# Altium PCB PCB_with_drawing.PcbDoc (part 3 of 5)
Units mm, origin at the board's own origin, x right, y up, seen from the top; angles counter-clockwise.
Board outline 425 x 295 mm, 2 copper layers (Top Layer, Bottom Layer), stack 3.4 mm thick; 489 components, 419 nets, 1569 pads, 847 vias.
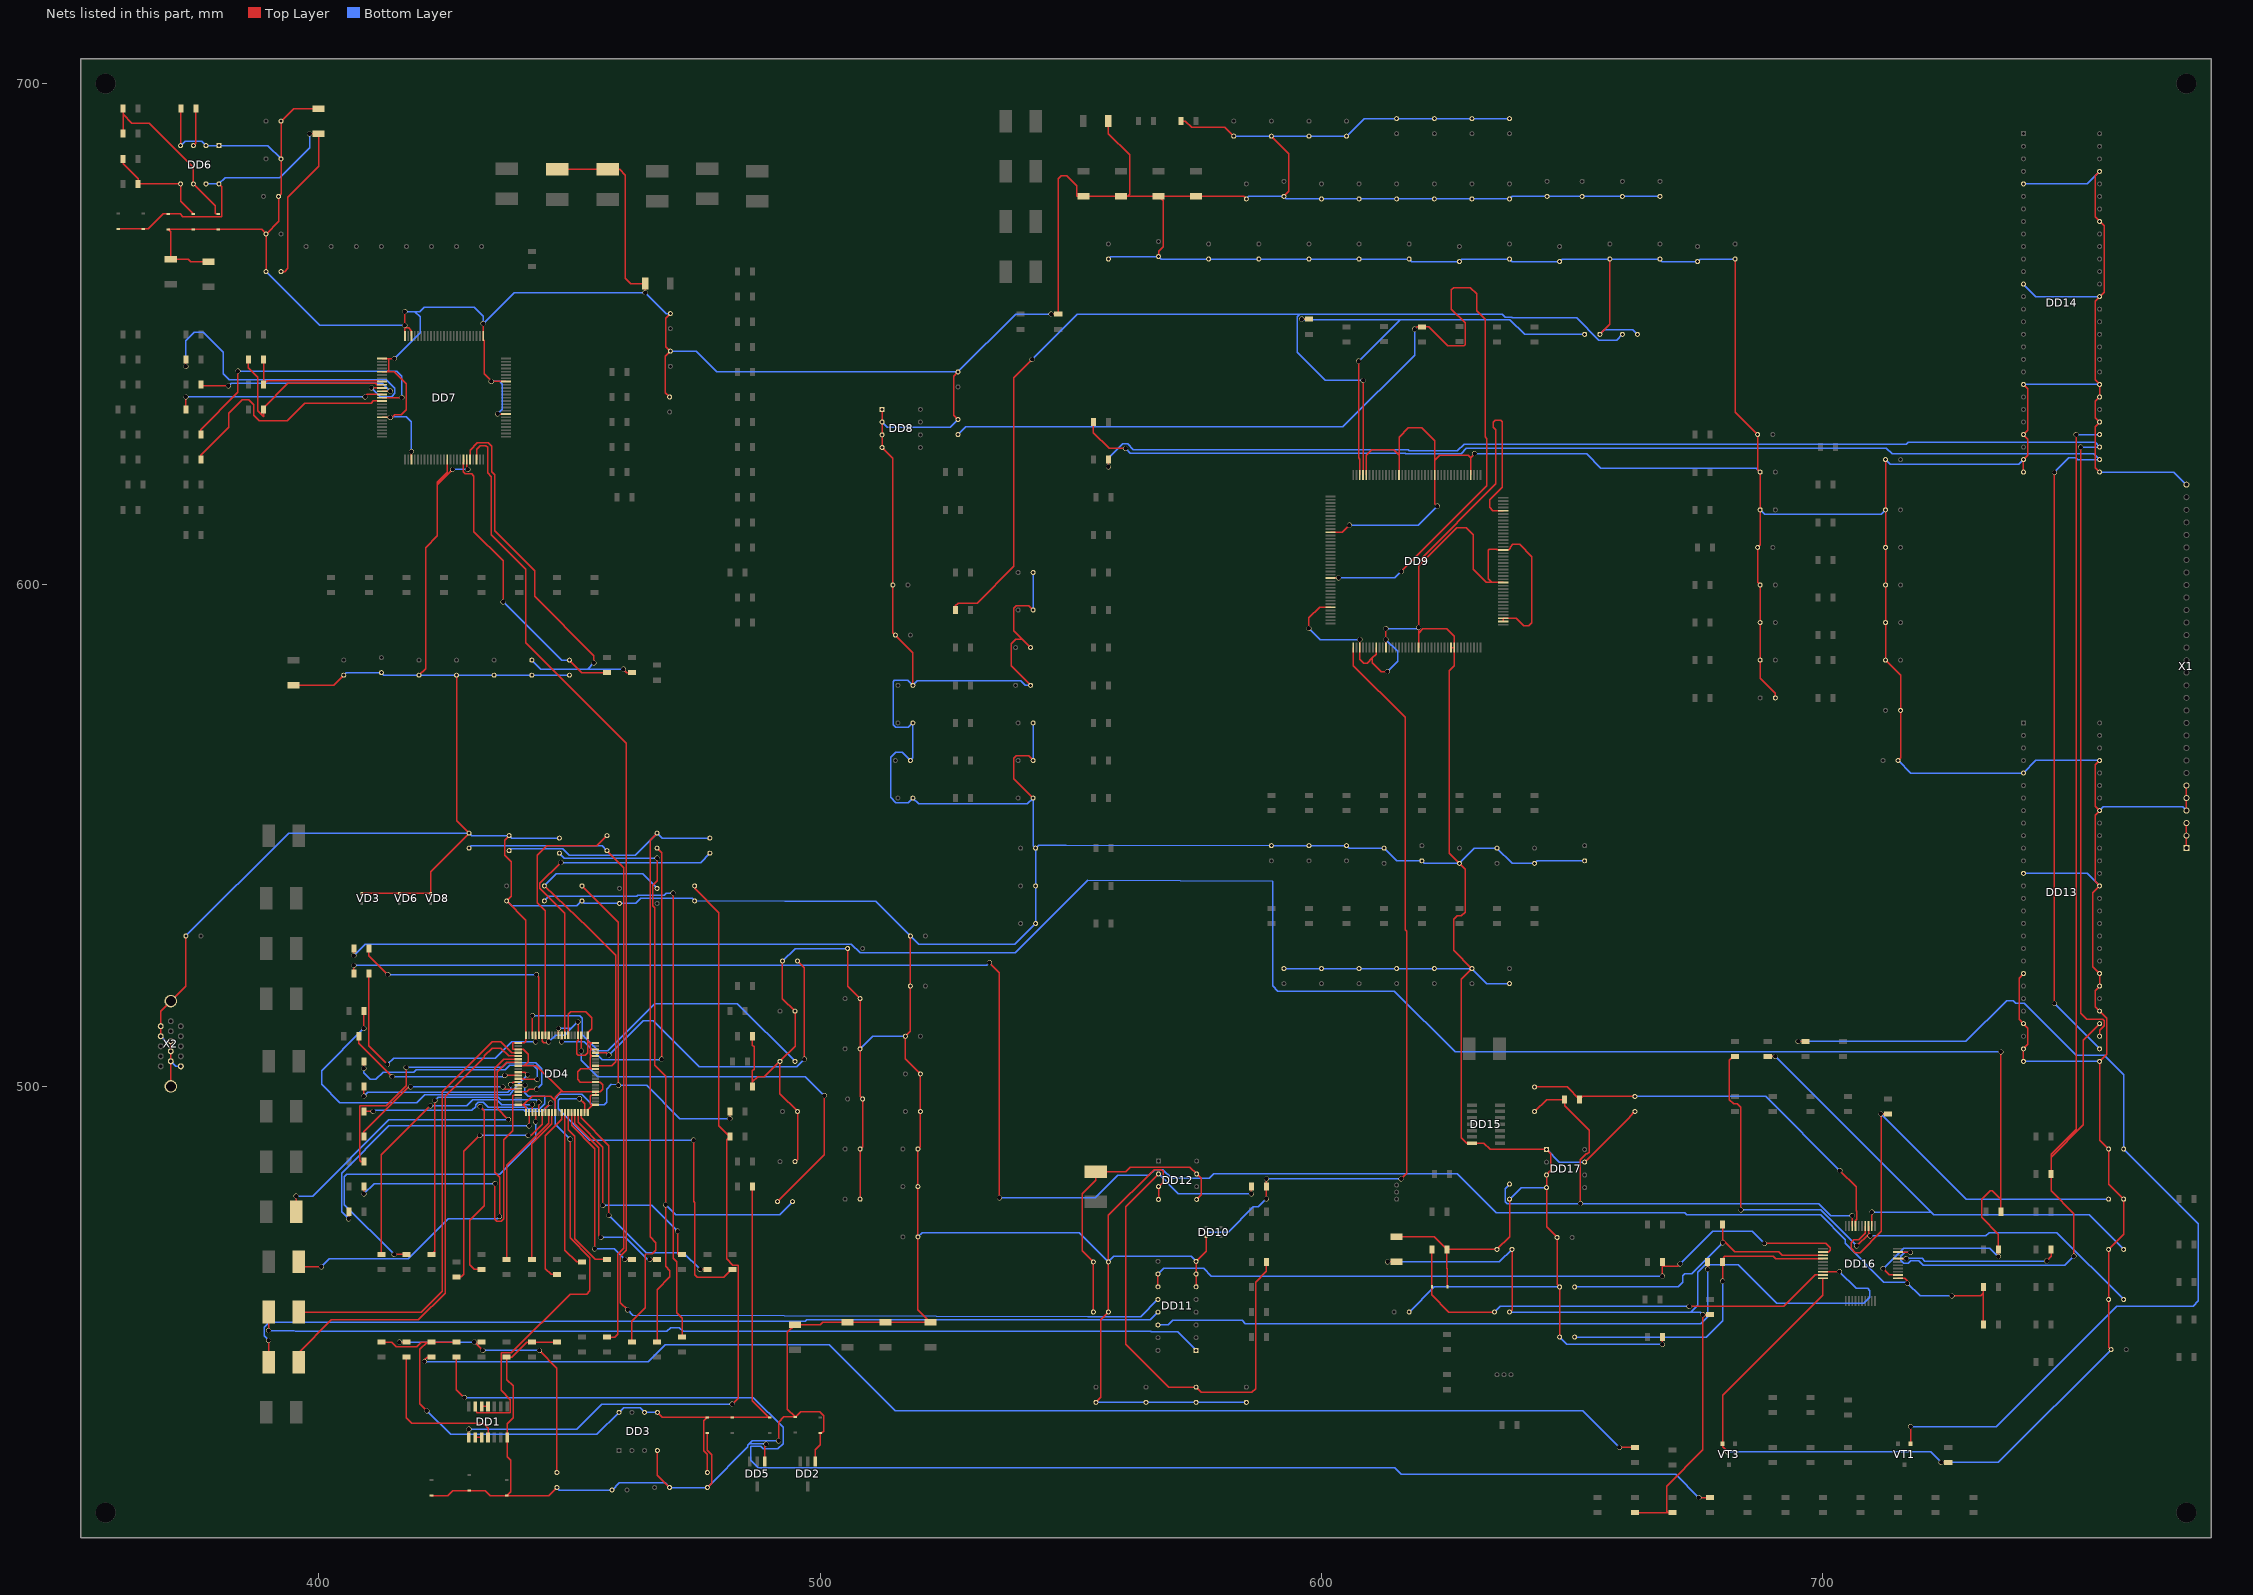
[diagram p3: the nets of this part, all layers, seen from the top]

## Via types
v1: diameter 1, hole 0.9, Top Layer to Bottom Layer, 847 vias

## Nets (pads, with @x,y where several pads share a name; then routed paths per layer and width w, separated by ;. In a path a pad name is that pad's centre, name@x,y a point inside that pad or via, vN(x,y) a via of type N, cw(c..) or ccw(c..) an arc to the next point about the centre after c; other vN are vias at no path point) (continued)
GND: C1.2 C2.2 C3.2 C4.2 C5.2 C6.2 C7.2 C8.2 C9.2 C10.2 C11.2 C12.2 C13.2 C14.2 C15.2 C17.2 C18.2 C19.2 C25.1 C26.2 C27.1 C28.2 C29.1 C30.2 C31.2 C32.2 C33.2 C34.2 C35.2 C36.2 C37.2 C38.2 C39.2 C40.2 C41.2 C42.2 C43.2 C44.1 C45.1 C46.1 C47.1 C48.1 C49.1 C50.1 C51.1 C52.2 C53.1 C54.1 C55.1 C56.1 C57.2 C58.1 C59.1 C60.1 C61.1 C62.1 C63.1 C64.2 C65.1 C66.1 C67.1 C68.1 C69.1 C70.1 C71.1 C72.1 C73.1 C74.1 C75.1 C76.1 C77.1 C78.1 C79.1 C80.1 C81.1 C82.1 C83.1 C84.1 C85.1 C86.1 C87.1 C88.1 C89.1 C90.1 C91.1 C92.1 C93.1 C94.1 C95.1 C96.1 C97.1 C98.1 C99.1 C100.1 C101.1 C102.1 C103.1 C104.1 C105.1 C106.1 C107.1 C108.1 C109.1 C110.1 C111.1 C112.1 C113.1 C114.1 C115.1 C116.1 C117.1 C118.1 C119.1 C120.1 C121.1 C122.1 C123.1 C124.1 C125.1 C126.1 C127.1 C128.2 C129.2 C130.1 C131.2 C132.2 C133.2 C134.2 C135.2 C136.2 C137.2 C138.1 C139.1 C140.1 C141.1 C142.1 C143.1 C144.1 C145.1 C146.1 C147.1 C148.1 C149.1 C150.1 C151.1 C152.1 C153.1 C154.1 C155.1 C156.1 C157.1 C158.2 C159.1 C160.2 C161.2 C162.1 C163.2 C164.2 C165.1 C166.2 C168.2 C169.2 C170.2 C171.2 C172.1 DD1.7 DD2.1 DD3.4 DD4.1 DD4.10 DD4.20 DD4.21 DD4.24 DD4.25 DD4.28 DD4.32 DD4.36 DD4.38 DD4.40 DD4.41 DD4.44 DD4.47 DD4.50 DD4.53 DD4.55 DD4.60 DD4.61 DD4.63 DD4.68 DD4.80 DD5.1 DD6.1 DD6.2 DD6.4 DD7.1 DD7.5 DD7.19 DD7.28 DD7.39 DD7.45 DD7.58 DD7.68 DD7.76 DD7.98 DD7.100 DD8.1 DD8.2 DD8.3 DD8.4 DD9.12 DD9.35 DD9.43 DD9.48 DD9.51 DD9.61 DD9.71 DD9.72 DD9.82 DD9.83 DD9.94 DD9.104 DD9.116 DD9.124 DD9.135 DD9.146 DD9.156 DD10.3 DD11.6 DD11.7 DD11.8 DD12.3 DD12.4 DD13.5 DD13.13 DD13.21 DD13.25 DD13.27 DD13.28 DD13.29 DD13.33 DD13.35 DD13.36 DD13.43 DD13.49 DD13.53 DD14.5 DD14.13 DD14.21 DD14.25 DD14.27 DD14.28 DD14.29 DD14.33 DD14.35 DD14.36 DD14.43 DD14.49 DD14.53 DD15.7 DD16.20 DD17.1 DD17.3 DD17.4 DD17.7 L16.1 L17.1 R3.1 R5.1 R15.1 R16.1 R17.1 R49.1 R178.1 R180.1 R204.1 R205.1 R218.1 VD1.1 VD2.1 VD3.1 VD4.1 VD5.1 VD6.1 VD7.1 VD8.1 VD11.1 VD12.1 VD13.1 VD14.1 VD17.1 VT3.2 X1.4 X1.5 X1.6 X1.30 X2.4 X2.5 X2.6 X2.7 X2.8 X2.11 X2.16 X2.17 | length 3756
  Top Layer w0.25: X2.4@368.5,510 368.455,510.045 368.455,511.955 X2.5@368.5,512 368.5,515 X2.16@370.5,517 373.5,520 C172.1@373.5,530 ; X2.17@370.5,500 X2.6@370.5,505 X2.7@370.5,507 X2.8@370.5,509 ; DD6.4@372.46,687.62 372.46,691.286 372.5,691.326 R49.1@372.5,695 ; C41.2@378,664.5 374.49,664.5 373.99,665 C57.2@370.5,665 370.5,670.4 VD14.1@370,670.9 VD13.1@375,670.9 VD12.1@380,670.9 388.6,670.9 C44.1@389.5,670 ; C49.1@389.5,662.5 C44.1@389.5,670 ; C43.2@395,580 403,580 C46.1@405,582 ; C52.2@400,695 395,695 C60.1@392.5,692.5 C59.1@392.5,685 392.5,678 C58.1@392,677.5 392,672.5 C44.1@389.5,670 ; VD3.1@408.6,538.5 VD6.1@416.1,538.5 VD8.1@422.35,538.5 422.35,542.85 C17.2@430,550.5 427.5,553 C53.1@427.5,582 ; DD7.19@412.65,633.45 v1(414.274,633.45) 414.624,633.45 415.158,633.984 416.484,633.984 417.477,634.977 417.477,640.103 415.03,642.55 413.671,642.55 ; DD7.5@412.65,642.55 413.671,642.55 ; DD7.1@412.65,645.15 413.995,645.15 ; v1(415.087,645.15) 413.995,645.15 ; DD7.100@417.2,649.7 v1@417.2,651.616 ; v1(417.2,654.523) v1(417.2,651.789) v1@417.2,651.616 ; v1(418.49,626.618) 418.5,626.608 DD7.28@418.5,625 ; DD7.98@418.5,649.7 418.5,650.748 417.921,651.327 417.489,651.327 v1@417.2,651.616 ; C51.1@420,582 421.31,583.31 421.31,607.466 423.621,609.778 423.621,619.963 ; VD4.1@422.5,418.4 425.729,418.4 426.729,419.4 VD1.1@430,419.4 433.248,419.4 434.248,418.4 VD2.1@437.5,418.4 ; DD7.39@425.65,625 425.65,622.475 423.621,620.446 423.621,619.963 ; v1(426.72,623.062) 423.621,619.963 ; DD7.45@429.55,625 429.55,623.255 v1(429.743,623.062) ; v1(432.8,652.124) DD7.76@432.8,649.7 432.8,648.947 433.031,648.716 433.031,642.112 v1@434.543,640.6 ; v1(434.418,640.6) v1@434.543,640.6 ; v1(435.712,634.111) 435.723,634.1 DD7.58@437.35,634.1 ; DD7.68@437.35,640.6 v1@434.543,640.6 ; C18.2@438,550 437.109,549.109 437.109,546.125 438.404,544.83 438.404,537.904 C10.2@437.5,537 441.325,533.175 DD4.60@441.325,510.222 441.325,509.016 440.984,508.675 DD4.61@439.778,508.675 438.709,508.675 438.709,507.375 DD4.63@439.778,507.375 440.832,507.375 441.8,506.408 441.8,504.952 440.973,504.125 ; DD4.80@439.778,496.325 440.842,496.325 ; DD4.68@439.778,504.125 440.973,504.125 ; DD4.1@441.325,494.778 441.325,495.808 440.842,496.325 ; DD4.55@444.575,510.222 444.575,509.016 444.901,508.69 445.702,508.69 445.723,508.881 DD4.53@445.875,510.222 v1(445.875,508.864) ; DD4.10@447.175,494.778 447.175,497.172 ; C11.2@447.5,420 445.9,418.4 VD2.1@437.5,418.4 ; R17.1@447.5,449 R16.1@442.5,449 441.48,449 438.48,446 R15.1@437.5,446 437.5,441.518 438.759,440.259 438.759,433.868 437.58,432.689 DD1.7@437.58,430 437.58,426.096 438.277,425.399 438.277,419.177 VD2.1@437.5,418.4 ; L17.1@447.62,682.88 L16.1@457.62,682.88 460.018,682.88 461.162,681.736 461.162,661.213 462.28,660.095 C42.2@465.12,660.095 ; DD4.50@447.825,510.222 447.825,511.579 v1(447.827,511.581) ; DD4.47@449.775,510.222 449.775,514.393 450.24,514.858 453.227,514.858 454.412,513.674 454.412,511.48 453.675,510.743 DD4.41@453.675,510.222 453.675,509.016 ; v1(451.714,512.877) 451.725,512.865 DD4.44@451.725,510.222 451.725,509.168 451.485,508.928 451.485,506.476 451.79,506.171 453.136,506.171 453.675,506.71 453.675,509.016 ; DD4.20@453.675,494.778 453.675,495.3 DD4.21@454.7,496.325 ; DD4.21@455.222,496.325 DD4.21@454.7,496.325 ; DD4.32@455.222,503.475 454.406,503.475 ; DD4.36@455.222,506.075 454.406,506.075 ; DD4.38@455.222,507.375 454.406,507.375 ; DD4.40@455.222,508.675 454.406,508.675 ; C42.2@465.12,660.12 C42.2@465.12,660.095 ; v1(465.125,658.292) 465.12,658.297 C42.2@465.12,660.095 ; DD3.4@467.54,427.38 467.54,422.46 C37.2@470,420 ; C50.1@470,637.5 469.138,638.362 469.138,645.638 C47.1@470.12,646.62 469.24,647.5 469.24,653.24 C45.1@470.12,654.12 ; C15.2@477.5,420 478.384,420.884 478.384,426.517 477.5,427.4 VD11.1@477.5,430.9 ; R5.1@486.5,500 486.5,500.888 ; R3.1@486.5,510 486.5,508.233 486.829,507.904 486.829,503.415 486.5,503.086 486.5,500.888 ; DD5.1@489,425.175 489,428.446 v1(489.229,428.676) ; v1(491.719,429.311) 491.719,433.059 492.76,434.1 VD7.1@495,434.1 ; C29.1@492.5,525 492.5,517.5 C28.2@495,515 495,508 C27.1@492,505 ; C25.1@495,485 495.5,485.5 C26.2@495.5,495 492,498.5 C27.1@492,505 ; DD2.1@499,425.175 499,427.533 500,428.533 VD5.1@500,430.9 500.38,430.9 500.685,431.205 500.685,434.34 499.948,435.077 496.124,435.077 495.148,434.1 VD7.1@495,434.1 ; C38.2@505.5,527.5 505.5,520 C30.2@508,517.5 C31.2@508,507.5 508,498 C32.2@508.5,497.5 508.5,488 C33.2@508,487.5 C34.2@508,477.5 ; DD8.1@512.38,635.04 DD8.2@512.38,632.5 DD8.3@512.38,629.96 DD8.4@512.38,627.42 514.5,625.3 C110.1@514.5,600 514.5,590.5 C107.1@515,590 518.5,586.5 C104.1@518.5,580 ; C36.2@518,530 C12.2@518,520 518,511 C9.2@517,510 517,505.5 C5.2@520,502.5 C4.2@520,495 520,488 C3.2@519.5,487.5 C2.2@519.5,480 C1.2@519.5,470 519.5,455.5 C6.2@522,453 C14.2@513,453 C35.2@505.5,453 500.499,453 499.999,452.5 C40.2@495,452.5 493.471,450.971 493.471,435.629 VD7.1@495,434.1 ; C90.1@527.5,633 526.618,633.882 526.618,641.618 C62.1@527.5,642.5 ; C121.1@542,580 538.099,583.901 538.099,588.264 538.988,589.153 540.347,589.153 ; C123.1@542,587.5 540.347,589.153 ; C113.1@542.5,557.5 538.607,561.393 538.607,565.404 539.115,565.912 541.588,565.912 C116.1@542.5,565 ; C125.1@542.5,595 541.616,595.884 539.115,595.884 538.607,595.376 538.607,590.893 540.347,589.153 ; v1(546.075,654.025) 546.099,654 R178.1@547.497,654 ; R178.1@547.5,654 R178.1@547.497,654 ; C130.1@555,437 556.006,438.006 556.006,453.506 C133.2@557.5,455 C132.2@557.5,465 557.5,474.296 566.623,483.419 568.09,483.419 568.401,483.108 568.401,480.901 DD12.3@567.5,480 DD12.4@567.5,477.46 ; C64.2@557.5,692.5 557.5,690.021 561.721,685.8 561.721,677.881 561.34,677.5 ; C67.1@567.5,665.5 567.5,666.56 568.401,667.461 568.401,676.599 C136.2@567.5,677.5 ; R180.1@572,692.5 572.877,692.5 574.116,691.261 580.739,691.261 C139.1@582.5,689.5 ; DD11.6@575,460.04 DD11.7@575,462.58 DD11.8@575,465.12 577,467.12 DD10.3@577,470 ; C138.1@585,677 584.5,677.5 C135.2@575,677.5 C136.2@567.5,677.5 ; C142.1@590,689.5 593.496,686.004 593.496,678.496 C141.1@592.5,677.5 ; v1(597.481,591.369) 597.481,593.417 599.614,595.55 DD9.35@601.8,595.55 ; DD9.12@601.8,610.5 604.139,610.5 v1(605.576,611.937) ; v1(607.65,589.128) DD9.43@607.65,587.5 607.65,585.216 608.435,584.431 609.133,584.431 610.163,585.46 ; DD9.156@608.95,621.95 608.95,625.856 610.017,626.923 614.383,626.923 615.467,625.839 ; DD9.48@610.9,587.5 610.9,586.197 610.163,585.46 ; DD9.51@612.85,587.5 v1(612.85,589.127) v1(612.85,591.312) ; v1(613.139,582.733) 611.879,582.733 610.163,584.448 610.163,585.46 ; C163.2@615,470 622.5,470 R205.1@625,467.5 ; DD9.146@615.45,621.95 615.45,622.808 615.467,622.808 615.467,625.839 ; DD9.61@619.35,587.5 619.35,590.419 ; v1(623.108,615.741) 622.6,616.249 DD9.135@622.6,621.95 622.6,624.84 ; VD17.1@625.1,460 625.1,463.677 625,463.777 R205.1@625,467.5 ; DD9.71@625.85,587.5 DD9.72@626.5,587.5 ; v1(630.555,626.186) 629.73,625.361 ; DD9.82@636.25,592.7 DD9.83@636.25,593.35 638.81,593.35 640.315,591.845 641.35,591.845 641.95,592.445 641.95,605.673 639.547,608.076 638.15,608.076 637.642,607.568 637.642,607.314 637.328,607 DD9.104@636.25,607 635.06,607 634.949,607.111 633.451,607.111 633.222,606.882 633.222,601.262 633.984,600.5 ; DD9.94@636.25,600.5 633.984,600.5 ; DD9.116@636.25,614.8 634.183,614.8 633.516,615.467 633.516,616.966 636.067,619.517 636.067,632.511 635.762,632.816 634.654,632.816 634.299,632.46 634.299,631.434 634.787,630.946 634.787,620.166 619.35,604.73 619.35,603.805 ; C161.2@637.5,477.5 637.5,470 C165.1@635,467.5 R205.1@625,467.5 ; C162.1@647.5,450 C159.1@647.5,460 647,460.5 C171.2@647,469.88 644.88,472 DD17.4@644.88,479.8 DD17.3@644.88,482.34 645.77,483.23 645.77,486.53 DD17.1@644.88,487.42 633.609,487.42 632.379,488.65 DD15.7@630,488.65 628.975,488.65 627.913,489.712 627.913,521.413 C115.1@630,523.5 626.364,527.136 626.364,533.324 627.05,534.01 627.888,534.01 628.65,534.772 628.65,543.35 C92.1@627.5,544.5 625.477,546.523 625.477,582.872 626.5,583.895 DD9.72@626.5,587.5 ; DD17.7@652.5,484.88 661.441,493.821 661.441,493.941 C160.2@662.5,495 ; C63.1@655.5,650 657.5,652 C85.1@657.5,665 ; v1(667.995,448.564) 668,448.569 R218.1@668,450 ; v1(681.016,427.101) 680,428.117 VT3.2@680,428.75 680,438.395 700,458.395 DD16.20@700,461.75 ; C98.1@682.5,665 682.5,634.5 C70.1@687,630 687,623 C72.1@687.5,622.5 C74.1@687.5,615 687.5,608 C76.1@687,607.5 687,600.5 C78.1@687.5,600 C82.1@687.5,592.5 C86.1@687.5,585 687.5,581.413 690.5,578.413 C91.1@690.5,577.5 ; C95.1@712.5,625 C99.1@712.5,615 C102.1@712.5,607.5 C105.1@712.5,600 C108.1@712.5,592.5 C111.1@712.5,585 715.5,582 C117.1@715.5,575 715.5,565.5 C114.1@715,565 ; v1(723.57,424.993) v1@723.577,425 ; v1(723.57,425) v1@723.577,425 ; R204.1@725,425 v1@723.577,425 ; DD13.28@740,505 DD13.27@740,507.5 740.893,508.393 740.893,511.607 DD13.25@740,512.5 739.115,513.385 739.115,521.615 DD13.21@740,522.5 ; DD14.28@740,622.5 DD14.27@740,625 740.893,625.893 740.893,629.107 DD14.25@740,630 740.893,630.893 740.893,639.107 DD14.21@740,640 ; DD13.53@755.2,565 754.321,564.121 754.321,555.879 DD13.49@755.2,555 754.304,554.104 754.304,540.896 DD13.43@755.2,540 753.817,538.617 753.817,523.883 DD13.36@755.2,522.5 DD13.35@755.2,520 754.304,519.104 754.304,515.896 DD13.33@755.2,515 756.583,513.617 756.583,506.383 DD13.29@755.2,505 755.2,489.3 C170.2@757,487.5 757,480.5 C164.2@760,477.5 760,470.5 C168.2@757,467.5 C166.2@757,457.5 757,448 C169.2@757.5,447.5 ; DD14.29@755.2,622.5 754.304,623.396 754.304,631.604 DD14.33@755.2,632.5 754.304,633.396 754.304,636.604 DD14.35@755.2,637.5 DD14.36@755.2,640 754.304,640.896 754.304,656.604 DD14.43@755.2,657.5 756.082,658.382 756.082,671.618 DD14.49@755.2,672.5 754.304,673.396 754.304,681.604 DD14.53@755.2,682.5 ; X1.4@772.5,555 X1.5@772.5,557.5 X1.6@772.5,560 ; 413.671,642.55 413.995,642.874 413.995,645.15 ; 440.842,496.325 442.563,498.046 446.301,498.046 447.175,497.172 ; 440.973,504.125 443.43,504.125 448.63,498.925 ; 447.175,497.172 447.175,497.84 448.26,498.925 448.63,498.925 ; 448.63,498.925 DD4.25@455.222,498.925 ; 453.675,509.016 454.016,508.675 454.406,508.675 ; 454.406,503.475 452.218,503.475 451.663,502.92 451.663,501.396 452.184,500.875 DD4.28@455.222,500.875 456.184,500.875 456.692,500.367 456.692,499.433 456.184,498.925 DD4.25@455.222,498.925 ; 454.406,503.475 454.152,503.729 454.152,505.821 454.406,506.075 ; 454.406,506.075 454.152,506.329 454.152,507.121 454.406,507.375 ; 454.406,507.375 454.152,507.629 454.152,508.421 454.406,508.675 ; DD4.21@454.7,496.325 454.406,496.325 454.152,496.579 454.152,498.021 454.406,498.275 DD4.24@455.222,498.275 DD4.25@455.222,498.925 ; 486.5,500.888 487.518,501.906 488.906,501.906 C27.1@492,505 ; R178.1@547.497,654 547.497,681.025 548.132,681.66 549.148,681.66 551.18,679.628 551.18,677.5 C137.2@552.5,677.5 C134.2@560,677.5 561.34,677.5 ; 561.34,677.5 C136.2@567.5,677.5 ; 615.467,625.839 615.467,629.488 617.347,631.368 619.984,631.368 622.6,628.752 622.6,624.84 ; 619.35,590.419 v1(619.35,591.53) 619.35,603.805 ; 619.35,590.419 620.243,591.312 624.951,591.312 626.5,589.763 DD9.72@626.5,587.5 ; 619.35,603.805 626.948,611.403 628.904,611.403 630.301,610.006 630.301,603.091 632.892,600.5 633.984,600.5 ; 622.6,624.84 623.616,625.856 629.234,625.856 629.73,625.361 ; 629.73,625.361 629.75,625.34 DD9.124@629.75,621.95 629.73,625.361
  Bottom Layer w0.25: X2.4@368.5,510 369.5,509 X2.8@370.5,509 ; X2.6@370.5,505 371.5,504 X2.11@372.5,504 ; DD6.4@372.46,687.62 373.358,688.518 376.642,688.518 DD6.2@377.54,687.62 DD6.1@380.08,687.62 389.88,687.62 C59.1@392.5,685 ; C172.1@373.5,530 394,550.5 C17.2@430,550.5 430.5,550 C18.2@438,550 438.5,549.5 C19.2@448,549.5 ; C49.1@389.5,662.5 400.211,651.789 v1(417.2,651.789) ; C46.1@405,582 405.5,582.5 C48.1@412.5,582.5 413,582 C51.1@420,582 C53.1@427.5,582 C54.1@435,582 C55.1@442.5,582 C56.1@450,582 ; v1(414.274,633.45) 414.366,633.542 417.484,633.542 418.49,632.536 v1(418.49,626.618) ; v1(415.087,645.15) 420.221,650.284 420.221,653.472 419.17,654.523 ; v1(417.2,654.523) 419.17,654.523 ; v1(426.72,623.062) v1(429.743,623.062) ; v1(434.418,640.6) 436.106,640.6 436.626,640.08 436.626,635.025 v1(435.712,634.111) ; C10.2@437.5,537 438.484,536.016 451.516,536.016 C7.2@452.5,537 453,536.5 C13.2@460,536.5 463.245,536.5 464.235,537.489 474.511,537.489 C8.2@475,537 493,536.921 511.079,536.921 C36.2@518,530 519.68,528.32 538.82,528.32 C80.1@543,532.5 C80.1@543,532.5 543.001,537.312 543,537.313 C84.1@543,540 C88.1@543,547.5 ; v1(445.875,508.864) 447.247,510.235 449.072,510.235 450.418,511.581 ; C11.2@447.5,420 448,419.5 C39.2@458.5,419.5 459.903,420.903 469.097,420.903 C37.2@470,420 C15.2@477.5,420 485.593,428.093 485.593,428.417 ; v1(447.827,511.581) 450.418,511.581 ; v1(451.714,512.877) 450.418,511.581 ; C47.1@470.12,646.62 475.285,646.62 479.405,642.5 C62.1@527.5,642.5 539.025,654.025 v1(546.075,654.025) ; C45.1@470.12,654.12 469.297,654.12 v1(465.125,658.292) 438.967,658.292 v1(432.8,652.124) 432.8,653.618 431.012,655.406 421.015,655.406 420.131,654.523 419.17,654.523 ; v1(489.229,428.676) 489.18,428.726 485.902,428.726 485.593,428.417 ; v1(491.719,429.311) 486.466,429.311 485.593,428.438 485.593,428.417 ; C29.1@492.5,525 495,527.5 C38.2@505.5,527.5 ; C31.2@508,507.5 510.5,510 C9.2@517,510 ; DD8.2@512.38,632.5 513.385,631.495 525.995,631.495 C90.1@527.5,633 ; C1.2@519.5,470 520.344,470.844 551.656,470.844 C132.2@557.5,465 558.615,466.115 574.005,466.115 DD11.8@575,465.12 ; C121.1@542,580 540.944,580 540.046,580.898 519.398,580.898 C104.1@518.5,580 517.532,580.968 514.827,580.968 514.604,580.746 514.604,572.11 515.112,571.602 517.602,571.602 C101.1@518.5,572.5 518.5,565.5 C97.1@518,565 516.351,566.649 515.112,566.649 514.096,565.633 514.096,557.632 515.112,556.616 517.616,556.616 C93.1@518.5,557.5 519.664,556.336 541.336,556.336 C113.1@542.5,557.5 542.5,548 C88.1@543,547.5 ; C116.1@542.5,565 542.519,565.019 542.519,567.258 542.5,567.277 C119.1@542.5,572.5 ; C125.1@542.5,595 542.519,595.019 542.519,596.9 542.5,596.919 C127.1@542.5,602.5 ; C130.1@555,437 C131.2@565,437 C129.2@575,437 C128.2@585,437 ; C66.1@557.5,665 558,665.5 C67.1@567.5,665.5 568,665 C65.1@577.5,665 C69.1@587.5,665 C68.1@597.5,665 C71.1@607.5,665 C73.1@617.5,665 618,664.5 C75.1@627.5,664.5 628,665 C77.1@637.5,665 638,664.5 C81.1@647.5,664.5 648,665 C85.1@657.5,665 C89.1@667.5,665 668,664.5 C94.1@675,664.5 675.5,665 C98.1@682.5,665 ; C139.1@582.5,689.5 C142.1@590,689.5 C145.1@597.5,689.5 C148.1@605,689.5 608.5,693 C149.1@615,693 C146.1@622.5,693 C143.1@630,693 C140.1@637.5,693 ; C138.1@585,677 585.5,677.5 C141.1@592.5,677.5 593,677 C144.1@600,677 C147.1@607.5,677 C150.1@615,677 C151.1@622.5,677 C152.1@630,677 C153.1@637.5,677 638,677.5 C154.1@645,677.5 C155.1@652,677.5 C156.1@660,677.5 C157.1@667.5,677.5 ; C126.1@592.5,523.5 C124.1@600,523.5 C122.1@607.5,523.5 C120.1@615,523.5 C118.1@622.5,523.5 C115.1@630,523.5 633,520.5 C112.1@637.5,520.5 ; v1(597.481,591.369) 599.722,589.128 v1(607.65,589.128) ; v1(605.576,611.937) 619.304,611.937 v1(623.108,615.741) ; v1(612.85,589.127) 615.213,586.764 615.213,584.807 v1(613.139,582.733) ; v1(612.85,591.312) 619.132,591.312 v1(619.35,591.53) ; C158.2@617.5,455 622.5,460 C159.1@647.5,460 ; v1(630.555,626.186) 652.856,626.186 655.726,623.316 686.684,623.316 C72.1@687.5,622.5 ; C161.2@637.5,477.5 639.8,479.8 DD17.4@644.88,479.8 ; DD17.1@644.88,487.42 647.42,484.88 DD17.7@652.5,484.88 ; C162.1@647.5,450 648.936,448.564 v1(667.995,448.564) ; C79.1@652.5,545 643,545 C83.1@642.5,544.5 638,544.5 C87.1@635,547.5 630.5,547.5 C92.1@627.5,544.5 620.5,544.5 C96.1@620,545 615,545 C100.1@612.5,547.5 605.5,547.5 C103.1@605,548 C106.1@597.5,548 C109.1@590,548 549.091,548.122 543.622,548.122 C88.1@543,547.5 ; C63.1@655.5,650 656.4,650.9 662.1,650.9 C61.1@663,650 ; v1(681.016,427.101) 721.469,427.101 v1(723.57,425) ; C74.1@687.5,615 688.404,614.096 711.596,614.096 C99.1@712.5,615 ; C95.1@712.5,625 713.397,624.103 739.103,624.103 DD14.27@740,625 ; C114.1@715,565 717.5,562.5 DD13.5@740,562.5 742.5,565 DD13.53@755.2,565 ; v1(723.57,424.993) 734.993,424.993 C169.2@757.5,447.5 ; DD13.28@740,505 DD13.29@755.2,505 ; DD13.13@740,542.5 752.7,542.5 DD13.43@755.2,540 ; DD14.21@740,640 DD14.36@755.2,640 ; DD14.13@740,660 742.5,657.5 DD14.43@755.2,657.5 ; DD14.5@740,680 752.7,680 DD14.53@755.2,682.5 ; DD13.49@755.2,555 755.958,555.758 771.742,555.758 X1.4@772.5,555 ; DD14.29@755.2,622.5 770,622.5 X1.30@772.5,620
HP_SENSE: DD16.37 R217.2 | length 32.6
  Top Layer w0.25: DD16.37@714.95,465.65 v1(716.585,465.65) ; v1(744.601,465.176) 745.5,466.075 R217.2@745.5,467.5
  Bottom Layer w0.25: v1(716.585,465.65) 716.668,465.733 719.773,465.733 720.331,465.176 v1(744.601,465.176)
HSYNC_D: DD7.48 DD11.12 | length 296.9
  Top Layer w0.25: DD7.48@431.5,625 431.5,627.117 432.195,627.812 433.324,627.812 433.68,627.456 433.68,622.402 434.467,621.614 434.467,609.981 441.3,603.148 441.3,588.493 461.391,568.401 461.391,467.36 460.182,466.151 460.182,456.834 v1(461.594,455.422)
  Bottom Layer w0.25: v1(461.594,455.422) 462.61,454.406 553.415,454.101 563.981,454.101 DD11.12@567.38,457.5
HSYNC_IN: DD11.14 R184.1 | length 121.8
  Top Layer w0.25: R184.1@677,465 677,463.587 v1(677.012,463.575)
  Bottom Layer w0.25: DD11.14@567.38,452.42 569.423,452.42 570.317,453.314 584.2,453.314 584.835,452.679 675.64,452.679 677.012,454.05 v1(677.012,463.575)
HSYNC_X: DD9.41 DD10.2 R170.1 | length 158.3
  Top Layer w0.25: v1(576.072,470.95) DD10.2@577,470.95 ; v1(589,477.557) R170.1@589,480 v1(589,481.533) ; DD9.41@606.35,587.5 606.35,583.898 616.675,573.573 616.675,568.31 616.747,568.237 616.747,531.258 617.017,530.989 617.017,482.676 v1(615.874,481.533)
  Bottom Layer w0.25: v1(576.072,470.95) 581.377,470.95 586.416,475.989 587.432,475.989 v1(589,477.557) ; v1(589,481.533) v1(615.874,481.533)